# Altium PCB mainBord_old.PcbDoc (continued)
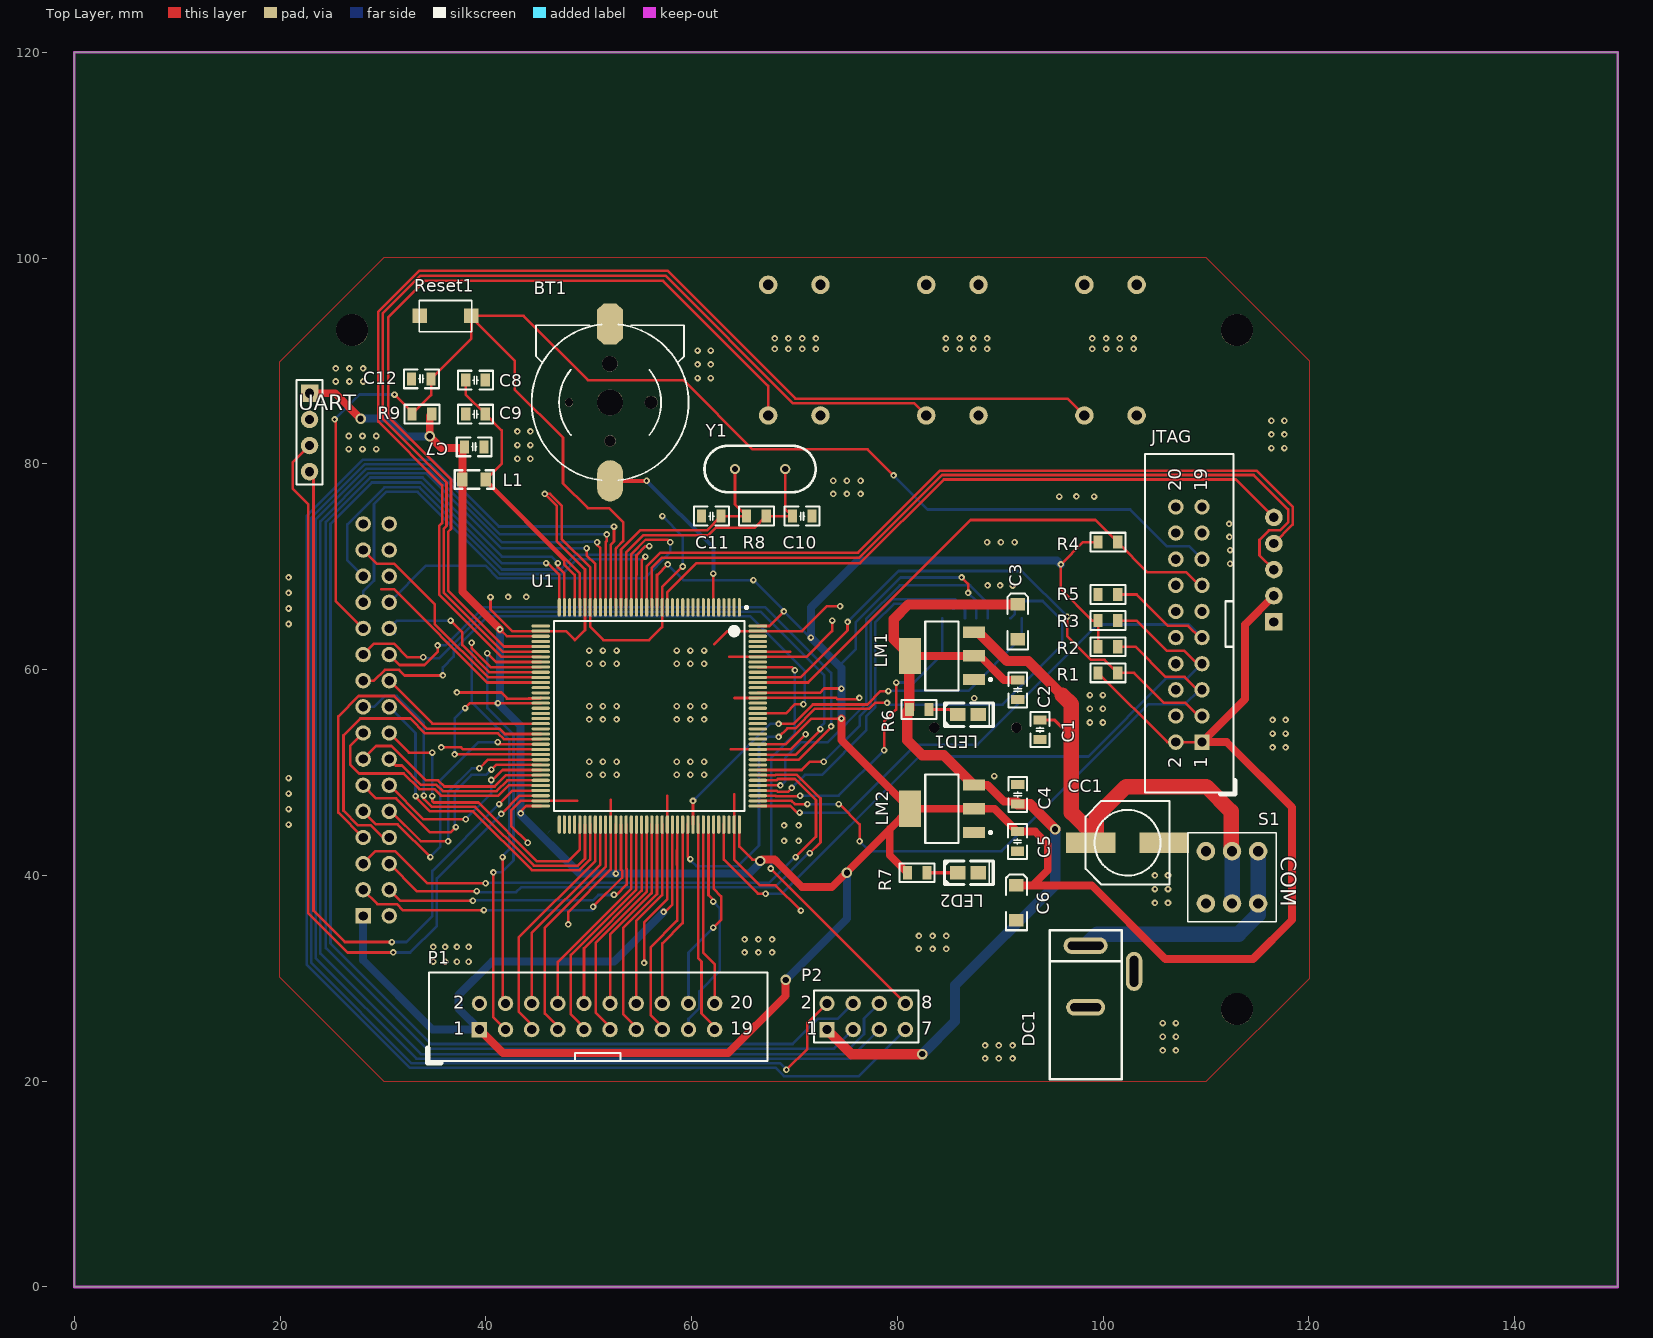
[diagram p0: Top Layer view]
## Via types
v1: diameter 0.635, hole 0.305, Top Layer to Bottom Layer, 278 vias
v2: diameter 1.016, hole 0.61, Top Layer to Bottom Layer, 7 vias

## Nets (pads, with @x,y where several pads share a name; then routed paths per layer and width w, separated by ;. In a path a pad name is that pad's centre, name@x,y a point inside that pad or via, vN(x,y) a via of type N, cw(c..) or ccw(c..) an arc to the next point about the centre after c; other vN are vias at no path point)
3.3V: C5.1 C6.1 C7.1 JTAG.1 JTAG.2 L1.1 LCD.1 LM2.2 LM2.4 P1.1 R1.2 R2.2 R3.2 R4.2 R7.2 R9.2 ROCKER1.2 SD1.4 U1.17 U1.39 U1.52 U1.62 U1.72 U1.84 U1.95 U1.108 U1.121 U1.131 U1.144 UART.1 | length 478.2
  Top Layer w0.254: R9.2 R9.2@34.737,84.836 ; v1(36.957,51.77) 45.309,51.77 U1.62 ; v1(37.973,56.261) 38.461,56.749 v1(41.168,56.749) U1.52 ; v1(41.365,63.921) 42.037,63.249 U1.39 ; v1(43.383,46.025) 43.383,46.228 43.904,46.749 U1.72 ; v1(52.63,40.184) U1.84 ; U1.17 56.63,69.215 56.655,69.215 v1(57.671,70.231) ; v1(57.277,36.449) 57.404,36.449 58.13,37.175 U1.95 ; U1.108 64.63,42.812 65.913,41.529 66.802,41.529 v2(66.675,41.402) ; U1.121 69.132,52.749 71.628,55.245 v1(74.549,55.245) ; U1.131 72.466,57.749 72.883,58.166 v1(74.549,58.166) ; U1.144 67.551,64.249 v1(68.961,65.659) ; v1(86.233,68.961) 86.868,68.326 v1(86.868,67.454) ; R1.2 106.238,52.959 JTAG.2 JTAG.1 ; R2.2 R3.2 98.933,64.77 95.886,67.817 v1(95.886,70.231) 98.045,72.39 R4.2
  Top Layer w0.762: UART.1 25.345,86.868 v2(27.813,84.4) ; R9.2 34.544,84.648 v2(34.544,82.677) 35.687,81.534 C7.1@37.785,81.534 ; C7.1 C7.1@37.785,81.534 ; P1.1 41.656,22.733 63.548,22.733 69.132,28.317 v2(69.132,29.845) ; v1(41.365,63.921) 37.719,67.567 L1.1 37.719,81.468 C7.1@37.785,81.534 ; v2@66.802,41.529 66.824,41.551 68.054,41.551 68.567,41.038 68.567,41.034 70.739,38.862 73.608,38.862 79.248,44.502 ; v1(74.549,55.245) 74.549,53.161 LM2.4 ; R7.2 79.248,41.976 79.248,44.502 ; C6.1 93.14,39.038 ; ROCKER1.2 113.792,64.389 113.792,57.15 JTAG.1 112.014,52.959 118.364,46.609 118.364,35.687 114.554,31.877 106.045,31.877 98.884,39.038 93.14,39.038 ; 79.248,44.502 LM2.4 ; LM2.4 89.441,46.482 C5.1 93.397,44.257 94.615,43.039 94.615,40.513 93.14,39.038
  Bottom Layer w0.254: v1(36.957,51.77) 36.957,55.245 v1(37.973,56.261) ; v1(57.671,70.231) 59.195,68.707 v1(66.006,68.707) 68.961,65.752 v1(68.961,65.659) 71.501,63.119 v1(71.594,63.119) ; 74.422,60.291 74.422,60.452 75.946,61.976 75.946,64.596 80.311,68.961 v1(86.233,68.961) ; v1(86.868,67.454) 87.666,66.656 SD1.4
  Bottom Layer w0.762: v2(27.813,84.4) 30.535,84.4 32.258,82.677 v2(34.544,82.677) ; LCD.1 28.067,31.75 34.798,25.019 P1.1 37.338,27.051 37.338,28.375 40.586,31.623 52.451,31.623 v1(57.277,36.449) ; v1(41.365,63.921) 41.365,56.946 v1(41.168,56.749) 43.369,54.548 v1@43.369,46.025 ; v1@43.369,45.912 49.097,40.184 v1(52.63,40.184) 65.584,40.184 66.802,41.402 v2(66.675,41.402) ; v2(69.132,29.845) 75.091,35.804 v2(75.091,40.275) ; v1(74.549,55.245) v1(74.549,58.166) 74.549,60.164 74.422,60.291 v1(71.594,63.119) 71.594,66.04 76.166,70.612 95.505,70.612 v1(95.886,70.231)
5V: C2.1 C3.1 C4.1 LM1.2 LM1.4 LM2.3 P2.1 R6.2 | length 91.9
  Top Layer w0.762: LM1.4 88.011,61.341 90.363,58.989 C2.1 ; LM2.3 88.759,48.782 90.358,47.183 C4.1@91.666,47.183
  Top Layer w1: P2.1 75.537,22.634 v2(82.423,22.634) ; LM2.3 84.521,51.689 82.423,51.689 80.965,53.147 80.965,55.941 R6.2 81.158,61.271 LM1.4 79.629,62.94 79.629,64.897 81.075,66.343 C3.1 ; C4.1 92.898,46.929 v2(95.325,44.502)
  Bottom Layer w1: v2(82.423,22.634) 85.598,25.809 85.598,29.337 95.325,39.064 v2(95.325,44.502)
12V: C1.1 CC1.1 LM1.3 S1.2 S1.5 | length 56.4
  Top Layer w0.305: C1.1 95.25,55.118 96.901,53.467
  Top Layer w1: LM1.3 87.87,63.641 90.678,60.833 92.71,60.833 96.012,57.531
  Top Layer w1.5: 96.012,57.531 96.901,56.642 96.901,53.467 96.901,46.101 99.314,43.688 99.314,45.72 102.235,48.641 110.029,48.641 112.442,46.228 112.442,42.437 S1.2
  Bottom Layer w1.5: S1.5 S1.2
BL_EN: LCD.24 U1.46 | length 18.6
  Top Layer w0.254: v1(36.576,64.77) 37.719,63.627 37.719,62.381 40.351,59.749 U1.46
  Bottom Layer w0.254: LCD.24@31.115,63.5 LCD.24 31.369,64.77 v1(36.576,64.77)
DRIVER_OUT1: P1.13 U1.92 | length 21.8
  Top Layer w0.254: P1.13 54.61,25.273 53.34,26.543 53.34,34.901 56.63,38.191 U1.92
DRIVER_OUT2: P1.14 U1.93 | length 18.4
  Top Layer w0.254: P1.14 54.61,35.56 57.13,38.08 U1.93
DRIVER_OUT3: P1.15 U1.96 | length 21.5
  Top Layer w0.254: P1.15 57.15,25.273 56.007,26.416 56.007,33.02 58.585,35.598 58.585,41.002 58.576,41.011 58.576,42.474 58.585,42.483 58.585,44.904 U1.96
DRIVER_OUT4: P1.16 U1.97 | length 18.2
  Top Layer w0.254: P1.16 57.15,33.401 59.13,35.381 U1.97
DRIVER_OUT5: P1.17 U1.102 | length 21.9
  Top Layer w0.254: U1.102 61.63,38.092 62.257,37.465 v1(62.103,37.465)
  Bottom Layer w0.254: P1.17 59.69,26.067 60.745,27.122 60.745,28.741 62.725,30.721 62.725,36.843 v1(62.103,37.465)
DRIVER_OUT6: P1.18 U1.103 | length 19
  Top Layer w0.254: v1(62.103,34.925) 62.865,35.687 62.865,37.973 62.13,38.708 U1.103
  Bottom Layer w0.254: P1.18 59.69,32.512 v1(62.103,34.925)
DRIVER_PWM1: P1.19 U1.100 | length 20.6
  Top Layer w0.254: U1.100 60.63,31.958 60.96,31.628 60.96,26.586 62.23,25.316 P1.19
DRIVER_PWM2: P1.20 U1.101 | length 17.8
  Top Layer w0.254: U1.101 61.13,32.469 62.23,31.369 P1.20
FSMC_A10: LCD.20 U1.56 | length 16.5
  Top Layer w0.254: LCD.20 34.786,54.749 U1.56
FSMC_D0: LCD.3 U1.85 | length 33
  Top Layer w0.254: LCD.3 29.464,37.211 31.337,37.211 31.915,36.633 v1(39.812,36.633) ; v1(50.419,36.957) 50.419,36.965 53.252,39.798 53.252,40.442 53.13,40.564 U1.85
  Bottom Layer w0.254: v1(39.812,36.633) 50.349,36.633 50.673,36.957 v1(50.419,36.957)
FSMC_D1: LCD.4 U1.86 | length 30.1
  Top Layer w0.254: LCD.4 31.681,37.534 v1(38.735,37.534) ; v1(52.451,38.117) 52.663,38.117 52.68,38.1 53.684,39.105 53.684,40.621 53.63,40.675 U1.86
  Bottom Layer w0.254: v1(38.735,37.534) 38.78,37.579 50.415,37.579 50.93,38.094 52.428,38.094 v1(52.451,38.117)
FSMC_D2: LCD.5 U1.114 | length 57.8
  Top Layer w0.254: LCD.5 29.276,42.357 31.176,42.357 34.29,39.243 v1(39.967,39.243) ; U1.114 68.247,49.249 68.369,49.371 70.028,49.371 72.085,47.314 72.085,43.764 v1(70.104,41.783)
  Bottom Layer w0.254: v1(39.967,39.243) 40.005,39.281 67.535,39.281 70.037,41.783 v1(70.104,41.783)
FSMC_D3: LCD.6 U1.115 | length 56.4
  Top Layer w0.254: LCD.6 33.274,38.481 v1(39.116,38.481) ; U1.115 68.136,49.749 68.19,49.803 70.207,49.803 72.517,47.493 72.517,43.204 v1(71.477,42.164)
  Bottom Layer w0.254: v1(39.116,38.481) 39.23,38.367 42.939,38.367 43.421,38.849 68.05,38.849 71.365,42.164 v1(71.477,42.164)
FSMC_D4: LCD.7 U1.58 | length 34.8
  Top Layer w0.254: LCD.7 25.654,46.101 25.654,55.467 27.63,57.443 31.076,57.443 34.27,54.249 41.349,54.249 41.849,53.749 U1.58
FSMC_D5: LCD.8 U1.59 | length 33.5
  Top Layer w0.254: LCD.8 29.996,43.688 28.812,44.872 27.588,44.872 26.162,46.298 26.162,53.614 27.797,55.249 32.659,55.249 34.091,53.817 41.17,53.817 41.738,53.249 U1.59
FSMC_D6: LCD.9 U1.60 | length 27.6
  Top Layer w0.254: LCD.9 29.337,44.958 31.427,44.958 v1(34.602,41.783) ; v1(41.148,52.959) 41.358,52.749 U1.60
  Bottom Layer w0.254: v1(34.602,41.783) 34.602,41.841 35.57,42.809 35.57,49.266 39.264,52.959 v1(41.148,52.959)
FSMC_D7: LCD.10 U1.63 | length 22
  Top Layer w0.254: LCD.10 30.767,46.228 33.672,43.323 v1(36.322,43.323) ; v1(39.37,50.419) 40.2,51.249 U1.63
  Bottom Layer w0.254: v1(36.322,43.323) 36.322,48.109 38.632,50.419 v1(39.37,50.419)
FSMC_D8: LCD.11 U1.64 | length 24.1
  Top Layer w0.254: LCD.11 29.337,47.498 31.265,47.498 34.567,44.196 36.576,44.196 v1(37.084,44.704) ; v1(40.532,50.292) 40.989,50.749 U1.64
  Bottom Layer w0.254: v1(37.084,44.704) 36.957,44.831 36.957,48.133 38.595,49.771 40.011,49.771 v1(40.532,50.292)
FSMC_D9: LCD.12 U1.65 | length 18.9
  Top Layer w0.254: LCD.12 33.909,45.466 v1(38.039,45.466) ; v1(40.513,49.276) 40.658,49.276 41.631,50.249 U1.65
  Bottom Layer w0.254: v1(38.039,45.466) 40.513,47.94 v1(40.513,49.276)
FSMC_D10: LCD.13 U1.66 | length 19.9
  Top Layer w0.254: LCD.13 29.337,52.578 30.829,52.578 34.164,49.243 35.358,49.243 35.96,48.641 40.845,48.641 41.953,49.749 U1.66
FSMC_D11: LCD.14 U1.67 | length 16.5
  Top Layer w0.254: LCD.14 31.23,50.685 31.841,50.685 33.715,48.811 35.179,48.811 35.806,48.184 41.037,48.184 42.102,49.249 U1.67
FSMC_D12: LCD.15 U1.68 | length 23.8
  Top Layer w0.254: LCD.15 26.797,52.578 26.797,50.8 27.686,49.911 32.004,49.911 33.536,48.379 35,48.379 35.627,47.752 41.216,47.752 42.213,48.749 U1.68
FSMC_D13: LCD.16 U1.77 | length 29.3
  Top Layer w0.254: LCD.16 32.512,51.943 v1(34.786,51.943) ; v1(34.786,47.713) 34.786,47.231 34.925,47.092 37.23,47.092 ; 37.231,47.092 39.268,47.092 44.983,41.377 47.962,41.377 49.13,42.545 U1.77
  Bottom Layer w0.254: v1(34.786,47.713) v1(34.786,51.943)
FSMC_D14: LCD.17 U1.78 | length 36.7
  Top Layer w0.254: v1(33.973,47.757) 33.973,47.433 34.746,46.66 37.409,46.66 ; 37.409,46.661 38.937,46.661 44.653,40.945 48.935,40.945 49.63,41.64 U1.78
  Bottom Layer w0.254: LCD.17 29.115,56.388 30.17,57.443 31.33,57.443 33.973,54.8 v1(33.973,47.757)
FSMC_D15: LCD.18 U1.79 | length 33.6
  Top Layer w0.254: v1(33.16,47.713) 33.16,47.635 34.567,46.228 37.588,46.228 ; 37.588,46.229 38.759,46.229 44.474,40.513 49.114,40.513 50.13,41.529 U1.79
  Bottom Layer w0.254: LCD.18 33.16,53.835 v1(33.16,47.713)
FSMC_NE4: LCD.19 U1.127 | length 57.1
  Top Layer w0.254: LCD.19 29.115,58.928 30.17,59.983 31.552,59.983 32.099,59.436 v1(35.814,59.436) ; U1.127 69.15,55.749 70.043,56.642 v1(70.866,56.642)
  Bottom Layer w0.254: v1(35.814,59.436) 35.814,60.231 36.868,61.285 36.868,61.887 40.181,65.2 65.66,65.2 70.993,59.867 70.993,56.769 v1(70.866,56.642)
FSMC_NOE: LCD.22 U1.118 | length 62.4
  Top Layer w0.254: LCD.22 31.623,60.452 34.027,60.452 35.306,61.731 v1(35.306,62.357) ; U1.118 70.417,51.249 73.55,54.381 v1(73.55,54.483)
  Bottom Layer w0.254: v1(35.306,62.357) 36.068,62.357 39.774,66.063 67.16,66.063 73.55,59.673 v1(73.55,54.483)
FSMC_NWE: LCD.21 U1.119 | length 62.8
  Top Layer w0.254: LCD.21 29.122,62.523 31.044,62.523 32.353,61.214 v1(33.909,61.214) ; U1.119 70.128,51.749 72.517,54.138 v1(72.517,54.229)
  Bottom Layer w0.254: v1(33.909,61.214) 34.023,61.1 35.446,61.1 39.978,65.632 66.702,65.632 72.898,59.436 72.898,54.837 72.517,54.456 v1(72.517,54.229)
GND: BT1.GBAT C1.2 C2.2 C3.2 C4.2 C5.2 C6.2 C7.2 C8.2 C9.2 C10.1 C11.1 C12.1 CC1.2 DC1.CON DC1.GND JTAG.4 JTAG.6 JTAG.8 JTAG.10 JTAG.12 JTAG.14 JTAG.16 JTAG.18 JTAG.20 LCD.2 LED1.2 LED2.2 LM1.1 LM2.1 P1.2 R5.1 Reset1.2 ROCKER1.1 S2.1 S3.1 S4.1 SD1.6 SD1.10 U1.16 U1.30 U1.31 U1.38 U1.51 U1.61 U1.71 U1.83 U1.94 U1.107 U1.120 U1.130 U1.138 U1.143 UART.2 | length 183.1
  Top Layer w0.254: v1(35.653,52.451) 37.583,52.451 37.785,52.249 U1.61 ; v1(37.186,57.785) 41.501,57.785 42.037,57.249 ; v1(40.447,67.056) 40.447,65.847 42.545,63.749 U1.38 47.768,63.749 48.652,62.865 49.63,63.843 U1.31 49.63,69.75 46.871,72.509 46.871,75.946 v1@45.728,77.089 ; 42.037,57.181 44.125,57.181 44.148,57.204 45.33,57.204 U1.51 ; v1(44.069,43.18) 42.447,44.802 42.447,46.326 43.37,47.249 U1.71 48.895,47.249 ; v1(48.006,35.246) 48.006,36.449 52.13,40.573 U1.83 52.13,47.371 ; v1(55.372,31.496) 55.372,35.433 57.63,37.691 U1.94 57.63,47.757 ; v1(59.13,70.029) 57.13,68.029 57.13,64.135 55.871,62.876 51.435,62.876 50.13,64.181 U1.30 50.13,69.957 47.371,72.716 47.371,75.946 46.228,77.089 v1@45.728,77.089 ; 62.202,62.484 63.467,63.749 U1.143 70.734,63.749 73.152,66.167 v1(74.422,66.167) ; 63.673,61.249 U1.138 71.158,61.249 71.158,61.252 73.66,63.754 v1(73.66,64.77) ; 63.806,52.249 U1.120 69.596,52.249 v1(71.068,53.721) ; 64.13,47.878 U1.107 64.13,41.529 66.621,39.038 68.15,39.038 v1(70.612,36.576) ; 64.168,57.249 U1.130 66.445,57.264 74.013,57.264 74.021,57.256 74.029,57.256 74.158,57.127 76.177,57.127 v1(76.299,57.249) ; v1@45.728,77.089 45.72,77.097 v1(45.72,77.089) v1@45.728,77.089
  Bottom Layer w0.254: v1(57.15,74.93) 59.13,72.95 v1(59.13,70.029)
  other v1: 88.519,22.214 89.852,22.214 91.186,22.214 105.791,22.987 107.061,22.987 88.519,23.484 89.852,23.484 91.186,23.484 105.791,24.32 107.061,24.32 105.791,25.654 107.061,25.654 34.878,31.623 36.026,31.613 37.174,31.613 38.322,31.613 65.151,32.512 66.484,32.512 67.818,32.512 82.081,32.861 83.415,32.861 84.748,32.861 34.878,33.059 36.026,33.059 37.174,33.059 38.322,33.059 65.151,33.782 66.484,33.782 67.818,33.782 82.081,34.131 83.415,34.131 84.748,34.131 105.029,37.338 106.299,37.338 105.029,38.672 106.299,38.672 105.029,40.005 106.299,40.005 68.987,43.364 70.389,43.364 68.987,44.87 70.389,44.87 20.828,44.949 20.828,46.456 20.828,47.963 20.828,49.469 89.408,49.657 116.459,52.451 117.729,52.451 116.459,53.785 117.729,53.785 98.705,54.864 99.975,54.864 116.459,55.118 117.729,55.118 98.705,56.197 99.975,56.197 87.461,57.229 98.705,57.531 99.975,57.531 20.828,64.441 20.828,65.948 42.164,67.082 43.917,67.082 20.828,67.454 88.766,68.184 91.191,68.174 89.979,68.199 20.828,68.961 112.336,70.295 112.336,71.628 112.268,72.898 112.232,74.168 95.725,76.815 99.112,76.815 97.402,76.835 73.759,77.089 75.093,77.089 76.426,77.089 73.759,78.359 75.093,78.359 76.426,78.359 43.053,80.5 44.323,80.5 26.67,81.443 28.003,81.443 29.337,81.443 116.344,81.534 117.614,81.534 43.053,81.834 44.323,81.834 26.67,82.713 28.003,82.713 29.337,82.713 116.344,82.867 117.614,82.867 43.053,83.167 44.323,83.167 116.344,84.201 117.614,84.201 25.4,88.011 26.733,88.011 28.067,88.011 60.579,88.346 61.849,88.346 25.4,89.281 26.733,89.281 28.067,89.281 60.579,89.679 61.849,89.679 60.579,91.013 61.849,91.013 68.072,91.186 69.409,91.186 70.745,91.186 72.082,91.186 84.709,91.186 86.046,91.186 87.382,91.186 88.719,91.186 98.94,91.186 100.276,91.186 101.613,91.186 102.95,91.186 68.072,92.202 69.409,92.202 70.745,92.202 72.082,92.202 84.709,92.202 86.046,92.202 87.382,92.202 88.719,92.202 98.94,92.202 100.276,92.202 101.613,92.202 102.95,92.202
JNTRST: JTAG.3 R1.1 U1.134 | length 55.2
  Top Layer w0.254: U1.134 70.576,59.249 75.15,63.823 v1(75.15,64.643) ; v1(96.52,65.151) 96.52,63.246 98.806,60.96 100.137,60.96 R1.1 102.997,59.69 105.918,56.769 107.99,56.769 109.26,55.499 JTAG.3
  Bottom Layer w0.254: v1(75.15,64.643) 80.103,69.596 92.075,69.596 v1(96.52,65.151) v1@96.247,65.151
JTCK: JTAG.9 R5.2 U1.109 | length 61.5
  Top Layer w0.254: U1.109 69.596,46.749 70.244,46.101 v1(70.485,46.101) ; R5.2 103.251,67.31 106.299,64.262 108.244,64.262 109.387,63.119 JTAG.9
  Bottom Layer w0.254: v1(70.485,46.101) 75.184,46.101 81.788,52.705 87.785,52.705 99.469,64.389 108.331,64.389 JTAG.9
JTDI: JTAG.5 R2.1 U1.110 | length 62.5
  Top Layer w0.254: U1.110 69.707,47.249 70.027,46.929 v1(71.247,46.929) ; v1(74.295,46.929) 74.347,46.929 76.327,44.949 v1(76.327,43.323) ; R2.1 103.124,62.23 106.045,59.309 107.898,59.309 109.168,58.039 JTAG.5
  Bottom Layer w0.254: v1(71.247,46.929) 72.771,46.929 ; 72.837,46.929 v1(74.295,46.929) ; v1(76.327,43.323) 77.283,42.367 90.119,42.367 104.394,56.642 107.95,56.642 109.347,58.039 JTAG.5
JTDO: JTAG.13 R4.1 U1.133 | length 52.3
  Top Layer w0.254: U1.133 71.322,58.749 87.122,74.549 99.248,74.549 R4.1 104.328,69.469 108.077,69.469 109.347,68.199 JTAG.13
JTMS: JTAG.7 R3.1 U1.105 | length 70.4
  Top Layer w0.254: U1.105 63.13,41.529 66.432,38.227 v1(67.183,38.227) ; R3.1 103.251,64.77 106.172,61.849 107.862,61.849 109.132,60.579 JTAG.7
  Bottom Layer w0.254: v1(67.183,38.227) 68.785,38.227 82.12,51.562 98.552,51.562 106.172,59.182 108.204,59.182 JTAG.7
KEY1: S2.3 U1.41 | length 86
  Top Layer w0.254: U1.41 41.764,62.249 36.322,67.691 36.322,73.406 36.606,73.69 36.606,78.474 30.493,84.587 30.493,94.247 34.036,97.79 57.225,97.79 67.437,87.578 S2.3
KEY2: S3.3 U1.42 | length 101.6
  Top Layer w0.254: U1.42 41.629,61.749 35.89,67.488 35.89,73.681 36.174,73.965 36.174,78.198 29.972,84.4 29.972,94.615 33.647,98.29 57.432,98.29 69.808,85.914 81.599,85.914 S3.3
KEY3: S4.3 U1.43 | length 118.7
  Top Layer w0.254: U1.43 41.494,61.249 35.458,67.285 35.458,73.957 35.742,74.24 35.742,77.923 29.54,84.125 29.54,94.794 33.536,98.79 57.639,98.79 70.084,86.346 96.534,86.346 S4.3
LIMIT_SW1: P1.5 U1.80 | length 23.5
  Top Layer w0.254: P1.5 44.45,25.527 43.18,26.797 43.18,33.968 50.63,41.418 U1.80
LIMIT_SW2: P1.6 U1.81 | length 20.2
  Top Layer w0.254: P1.6 44.45,34.387 51.13,41.067 U1.81
LIMIT_SW3: P1.7 U1.82 | length 22.9
  Top Layer w0.254: P1.7 46.99,25.315 45.72,26.585 45.72,34.925 51.63,40.835 U1.82
LIMIT_SW4: P1.8 U1.87 | length 20.3
  Top Layer w0.254: P1.8 46.99,31.604 54.13,38.744 U1.87
LIMIT_SW5: P1.9 U1.88 | length 23.1
  Top Layer w0.254: P1.9 49.53,25.234 48.26,26.504 48.26,32.263 54.63,38.633 U1.88
LIMIT_SW6: P1.10 U1.89 | length 19.7
  Top Layer w0.254: P1.10 49.53,32.923 55.13,38.523 U1.89
LIMIT_SW7: P1.11 U1.90 | length 22.6
  Top Layer w0.254: P1.11 52.07,25.273 50.673,26.67 50.673,33.455 55.63,38.412 U1.90
LIMIT_SW8: P1.12 U1.91 | length 19.1
  Top Layer w0.254: P1.12 52.07,34.241 56.062,38.233 56.13,38.301 U1.91
NetDC1_VCC: DC1.VCC S1.1 S1.4 | length 24.2
  Bottom Layer w1.5: DC1.VCC 99.41,34.29 113.157,34.29 115.062,36.195 S1.4 S1.1
NetLED1_1: LED1.1 R6.1 | length 3.1
  Top Layer w0.305: R6.1 85.09,56.134 LED1.1@85.852,55.372
NetLED2_1: LED2.1 R7.1 | length 3
  Top Layer w0.381: R7.1 LED2.1
NRST: C12.2 JTAG.15 LCD.23 R9.1 Reset1.1 U1.25 | length 161.3
  Top Layer w0.254: v1(25.297,84.328) 25.4,84.225 25.4,66.675 LCD.23 ; v1(31.115,86.741) 32.832,85.024 R9.1 34.671,86.675 C12.2 38.568,92.162 38.568,92.496 ; U1.25 52.63,71.755 52.698,71.823 52.698,71.851 53.34,72.493 53.34,74.331 51.979,75.692 49.911,75.692 47.498,78.105 47.498,82.55 42.799,87.249 42.799,90.043 38.568,94.274 38.568,92.496 ; v1(79.629,78.876) 77.098,81.407 65.913,81.407 59.182,88.138 49.911,88.138 43.664,94.385 Reset1.1 38.568,92.496
  Bottom Layer w0.254: v1(25.297,84.328) 27.71,86.741 v1(31.115,86.741) ; v1(79.629,78.876) 82.94,75.565 102.616,75.565 106.172,72.009 108.331,72.009 JTAG.15
OSC1_IN: C10.2 R8.2 U1.23 Y1.XTAL_2 | length 27.8
  Top Layer w0.254: U1.23 53.63,71.41 55.283,73.063 61.609,73.063 62.333,73.787 66.101,73.787 R8.2 C10.2 69.088,75.631 Y1.XTAL_2
OSC1_OUT: C11.2 R8.1 U1.24 Y1.XTAL_1 | length 24.2
  Top Layer w0.254: U1.24 53.13,71.672 54.991,73.533 61.468,73.533 C11.2 R8.1 64.208,76.066 Y1.XTAL_1
RH_DIR: P1.4 U1.45 | length 45.2
  Top Layer w0.254: v1(38.608,62.611) 38.608,62.103 40.462,60.249 U1.45 ; v1(41.629,41.783) 41.629,28.11 41.494,27.975 P1.4
  Bottom Layer w0.254: v1(38.608,62.611) 38.608,56.856 42.251,53.213 42.251,42.505 41.529,41.783 v1(41.629,41.783)
RH_SPEED: P1.3 U1.44 | length 45
  Top Layer w0.254: v1(40.132,61.595) 40.978,60.749 U1.44 ; v1(40.725,40.294) 40.725,26.204 P1.3
  Bottom Layer w0.254: v1(40.132,61.595) 40.132,56.261 42.683,53.71 42.683,41.447 41.53,40.294 v1(40.725,40.294)
RK_SW: ROCKER1.5 U1.15 | length 66.5
  Top Layer w0.254: U1.15 57.63,67.536 60.452,70.358 76.381,70.358 84.509,78.486 112.903,78.486 ROCKER1.5
RK_Vx: ROCKER1.3 U1.18 | length 79.1
  Top Layer w0.254: U1.18 56.13,69.91 57.086,70.866 76.279,70.866 84.331,78.918 114.63,78.918 117.983,75.565 117.983,74.324 117.199,73.54 116.109,73.54 115.189,72.621 115.189,71.12 ROCKER1.3
RK_Vy: ROCKER1.4 U1.19 | length 76.4
  Top Layer w0.254: U1.19 55.63,70.021 56.975,71.366 76.168,71.366 84.152,79.35 114.905,79.35 118.415,75.84 118.415,74.092 ROCKER1.4
SCREW_DIR: P2.5 U1.28 | length 141.5
  Top Layer w0.254: v1(50.8,72.39) 50.8,72.136 51.13,71.806 U1.28
  Bottom Layer w0.254: v1(50.8,72.39) 50.762,72.428 49.526,72.428 49.488,72.39 41.529,72.39 34.376,79.543 28.64,79.543 28.488,79.543 28.41,79.543 23.455,74.587 23.455,31.964 33.234,22.185 75.398,22.185 P2.5
SCREW_ENABLE: P2.7 U1.26 | length 151
  Top Layer w0.254: U1.26 52.13,72.136 52.451,72.457 v1(52.451,73.914)
  Bottom Layer w0.254: v1(52.451,73.914) 41.251,73.914 34.759,80.406 28.053,80.406 22.574,74.928 22.574,31.336 32.606,21.304 32.964,21.304 32.981,21.322 68.132,21.322 68.957,20.496 76.249,20.496 P2.7
SCREW_PWM: P2.3 U1.35 | length 129.8
  Top Layer w0.254: v1(46.99,70.358) 46.99,69.977 47.63,69.337 U1.35
  Bottom Layer w0.254: v1(46.99,70.358) 46.368,70.98 41.542,70.98 33.843,78.679 28.768,78.679 24.443,74.354 24.443,32.952 34.222,23.173 73.846,23.173 P2.3
SD_CLK: SD1.5 U1.113 | length 38.8
  Top Layer w0.254: U1.113 v1(68.627,48.749)
  Bottom Layer w0.254: v1(68.627,48.749) 68.688,48.749 69.088,49.149 69.088,51.435 70.612,52.959 73.233,52.959 76.962,56.688 76.962,64.92 80.241,68.199 87.068,68.199 88.766,66.501 SD1.5
SD_CMD: SD1.3 U1.116 | length 33.6
  Top Layer w0.254: U1.116 70.696,50.249 71.501,51.054 v1(72.837,51.054)
  Bottom Layer w0.254: v1(72.837,51.054) 76.327,54.544 76.327,55.442 77.394,56.509 77.394,64.742 79.48,66.827 85.598,66.827 86.566,65.859 SD1.3
SD_DATA0: SD1.7 U1.98 | length 63.9
  Top Layer w0.254: U1.98 59.63,41.843 v1(59.88,41.593) ; v1(68.453,53.467) 69.291,54.305 70.078,54.305 71.957,56.185 77.251,56.185 77.836,56.769 v1(78.994,56.769)
  Bottom Layer w0.254: v1(59.88,41.593) 59.88,41.465 60.452,40.894 64.516,40.894 66.548,42.926 66.548,52.602 67.413,53.467 v1(68.453,53.467) ; v1(78.994,56.769) 79.157,56.606 90.213,56.606 96.012,62.405 96.012,64.775 94.112,66.675 92.077,66.675 91.411,66.009 91.411,65.428 SD1.7
SD_DATA1: SD1.8 U1.99 | length 42.7
  Top Layer w0.254: U1.99 v1(60.13,47.244) ; v1(68.453,54.737) 69.899,54.737 71.778,56.617 77.072,56.617 78.368,57.912 v1(79.121,57.912)
  Bottom Layer w0.254: v1(60.13,47.244) 67.623,54.737 v1(68.453,54.737) ; v1(79.121,57.912) 79.121,57.937 86.884,57.937 92.066,63.119 SD1.8
SD_DATA2: SD1.1 U1.111 | length 30.3
  Top Layer w0.254: U1.111 68.136,47.749 68.19,47.695 70.486,47.695 v1(70.541,47.749) ; v1(78.706,52.163) 78.706,54.957 79.883,56.134 v1(79.883,58.749)
  Bottom Layer w0.254: v1(70.541,47.749) 74.292,47.749 v1(78.706,52.163) ; v1(79.883,58.749) 81.609,58.749 84.366,61.506 SD1.1
SD_DATA3: SD1.2 U1.112 | length 32.6
  Top Layer w0.254: U1.112 68.247,48.249 68.369,48.127 69.344,48.127 v1(69.723,48.506) v1@69.85,48.506
  Bottom Layer w0.254: v1(69.723,48.506) 71.001,49.784 72.644,49.784 76.962,54.102 76.962,55.467 77.826,56.33 77.826,64.563 79.659,66.396 84.988,66.396 85.471,65.913
T_INT: LCD.26 U1.22 | length 41
  Top Layer w0.254: U1.22 54.13,71.225 55.536,72.631 57.671,72.631 v1(57.912,72.39)
  Bottom Layer w0.254: LCD.26 34.163,70.104 39.951,70.104 41.183,68.872 55.41,68.872 57.912,71.374 v1(57.912,72.39)
T_MISO: LCD.25 U1.20 | length 46.1
  Top Layer w0.254: U1.20 55.13,70.624 v1(55.499,70.993)
  Bottom Layer w0.254: LCD.25 28.067,67.596 29.122,68.651 29.122,76.104 30.31,77.292 33.373,77.292 41.362,69.304 47.427,69.304 48.862,70.739 55.245,70.739 v1(55.499,70.993) 55.507,70.993 v1@55.63,71.116
T_MOSI: LCD.27 U1.21 | length 47.4
  Top Layer w0.254: U1.21 54.63,69.215 54.635,69.22 54.635,71.12 55.524,72.009 v1(55.88,72.009)
  Bottom Layer w0.254: LCD.27 26.534,70.621 26.534,74.127 30.131,77.724 33.552,77.724 41.541,69.736 47.248,69.736 48.696,71.184 54.699,71.184 55.524,72.009 v1(55.88,72.009)
T_SCK: LCD.29 U1.47 | length 23.5
  Top Layer w0.254: LCD.29 29.4,70.295 31.104,70.295 35.027,66.372 35.027,64.463 40.24,59.249 U1.47
TP_CS: LCD.31 U1.48 | length 19.2
  Top Layer w0.254: 29.845,67.818 31.061,67.818 40.13,58.749 U1.48
UART3_RX: U1.70 UART.3 | length 80
  Top Layer w0.254: UART.3 21.209,80.137 21.209,77.597 22.733,76.073 22.733,36.322 26.543,32.512 v1(30.988,32.512) ; v1(41.494,45.984) 43.259,47.749 U1.70
  Bottom Layer w0.254: v1(30.988,32.512) 32.639,32.512 35.23,35.103 35.23,39.72 v1(41.494,45.984)
UART3_TX: U1.69 UART.4 | length 75.1
  Top Layer w0.254: UART.4 23.241,79.248 23.241,77.343 23.241,36.576 26.289,33.528 v1(30.861,33.528) ; v1(41.275,46.929) 42.595,48.249 U1.69
  Bottom Layer w0.254: v1(30.861,33.528) 32.258,33.528 34.798,36.068 34.798,40.452 v1(41.275,46.929)
VBAT: BT1.VBAT U1.6 | length 18.6
  Top Layer w0.254: v1(62.103,69.342) 62.103,66.076 U1.6
  Top Layer w0.381: BT1.VBAT v1(55.626,78.359)
  Bottom Layer w0.381: v1(55.626,78.359) 62.103,71.882 v1(62.103,69.342)
VREF+: C8.1 C9.1 L1.2 U1.32 U1.33 | length 44
  Top Layer w0.254: C8.1 38.039,86.736 C9.1 41.529,83.246 41.529,80.01 L1.2 ; U1.33 48.63,69.215 47.612,70.233 47.612,70.616 40.005,78.223 L1.2 ; U1.32 49.13,69.361 L1.2
WHEEL_DIR: P2.6 U1.29 | length 140.3
  Top Layer w0.254: v1(49.784,71.806) 49.784,71.12 50.63,70.274 U1.29
  Bottom Layer w0.254: v1(49.784,71.806) 41.478,71.806 34.173,79.111 28.819,79.111 28.589,79.111 23.904,74.426 23.904,32.413 33.683,22.634 74.799,22.634 76.747,24.582 76.747,26.074 P2.6
WHEEL_ENABLE: P2.2 U1.27 | length 142.7
  Top Layer w0.254: U1.27 51.63,72.39 51.74,72.5 v1(51.74,73.152) ; v1(69.215,21.118) 71.247,23.15 71.247,25.654 P2.2
  Bottom Layer w0.254: v1(51.74,73.152) 41.378,73.152 34.555,79.974 28.231,79.974 23.006,74.749 23.006,31.515 32.785,21.736 32.802,21.753 68.58,21.753 v1(69.215,21.118)
WHEEL_PWM: P2.4 U1.36 | length 128
  Top Layer w0.254: v1(45.847,70.358) 45.987,70.358 47.13,69.215 U1.36
  Bottom Layer w0.254: v1(45.847,70.358) 41.529,70.358 33.689,78.198 28.922,78.198 24.892,74.168 24.892,33.401 34.671,23.622 69.824,23.622 72.276,26.074 74.207,26.074 P2.4
WHEEL_SPEED: P2.8 U1.136 | length 42.6
  Top Layer w0.254: U1.136 69.731,60.249 v1(70.036,59.944) ; v1(67.691,40.675) 67.691,40.64 P2.8
  Bottom Layer w0.254: v1(67.691,40.675) 67.676,40.675 67.551,40.8 67.742,40.991 67.742,51.486 70.036,53.78 v1(70.036,59.944)
pads on no net: BT1.0 JTAG.11 JTAG.17 JTAG.19 LCD.28 LCD.30 LCD.32 S1.3 S1.6 S2.2 S2.4 S3.2 S3.4 S4.2 S4.4 SD1.0 SD1.9 U1.1 U1.2 U1.3 U1.4 U1.5 U1.7 U1.8 U1.9 U1.10 U1.11 U1.12 U1.13 U1.14 U1.34 U1.37 U1.40 U1.49 U1.50 U1.53 U1.54 U1.55 U1.57 U1.73 U1.74 U1.75 U1.76 U1.104 U1.106 U1.117 U1.122 U1.123 U1.124 U1.125 U1.126 U1.128 U1.129 U1.132 U1.135 U1.137 U1.139 U1.140 U1.141 U1.142
copper on no net: | length 3.2
  Top Layer w0.254: 66.43,61.749 69.596,61.749
  other v1: 50.038,49.784 51.371,49.784 52.705,49.784 58.547,49.784 59.88,49.784 61.214,49.784 50.038,51.054 51.371,51.054 52.705,51.054 58.547,51.054 59.88,51.054 61.214,51.054 50.038,55.169 51.371,55.169 52.705,55.169 58.547,55.169 59.88,55.169 61.214,55.169 50.038,56.439 51.371,56.439 52.705,56.439 58.547,56.439 59.88,56.439 61.214,56.439 50.038,60.579 51.371,60.579 52.705,60.579 58.547,60.579 59.88,60.579 61.214,60.579 50.038,61.849 51.371,61.849 52.705,61.849 58.547,61.849 59.88,61.849 61.214,61.849 88.719,72.39 90.053,72.39 91.386,72.39

## Polygon pours and split planes (outlines as drawn)
GND on Top Layer "NONET_L01_P013" (solid, remove dead copper, shelved, pour order 13): 19.939,89.916 30.099,100.076 109.982,100.076 120.015,90.043 120.015,29.972 109.982,19.939 30.099,19.939 19.939,30.099
GND on Bottom Layer "NONET_L02_P015" (solid, remove dead copper, shelved, pour order 15): 19.939,89.916 30.099,100.076 109.982,100.076 120.015,90.043 120.015,29.972 109.982,19.939 30.099,19.939 19.939,30.099

## Keep-outs
Keep-Out Layer:
  the board outline again, w0.25

## Silkscreen, mask and mechanical layers (free items; w line width, h text height)
Mechanical 1:
  lines w0.25: 20,30 20,90 ; 30,20 110,20 ; 30,100 110,100 ; 120,30 120,90
  lines w0.254: 20,30 ccw(c30,30) 30,20 ; 20,90 cw(c30,90) 30,100 ; 110,20 ccw(c110,30) 120,30 ; 110,100 cw(c110,90) 120,90

## Text inside footprints (layer, text, board x,y; h text height)
JTAG: Top Overlay "2" at 107.569,50.419 h1.27 r90; Top Overlay "1" at 110.109,50.419 h1.27 r90; Top Overlay "19" at 110.109,77.343 h1.27 r90; Top Overlay "20" at 107.569,77.343 h1.27 r90
LCD: Bottom Overlay "2" at 30.099,33.528 h1.27 r270; Bottom Overlay "1" at 27.559,33.528 h1.27 r270; Bottom Overlay "31" at 27.559,75.692 h1.27 r270; Bottom Overlay "32" at 30.099,75.692 h1.27 r270
P1: Top Overlay "20" at 63.754,27.051 h1.27; Top Overlay "19" at 63.754,24.511 h1.27; Top Overlay "1" at 36.83,24.511 h1.27; Top Overlay "2" at 36.83,27.051 h1.27
P2: Top Overlay "2" at 70.612,27.051 h1.27; Top Overlay "1" at 71.12,24.511 h1.27; Top Overlay "7" at 82.296,24.511 h1.27; Top Overlay "8" at 82.296,27.051 h1.27
S1: Top Overlay "COM" at 117.262,41.857 h1.52 r270
SD1: Bottom Overlay "1" at 84.468,62.738 h0.76; Bottom Overlay "2" at 85.56,62.738 h0.76; Bottom Overlay "3" at 86.627,62.738 h0.76; Bottom Overlay "4" at 87.82,62.738 h0.76; Bottom Overlay "5" at 88.887,62.738 h0.76; Bottom Overlay "6" at 89.954,62.738 h0.76; Bottom Overlay "7" at 91.021,62.738 h0.76; Bottom Overlay "8" at 92.138,62.738 h0.76; Bottom Overlay "k" at 93.408,62.738 h0.76